# Altium PCB Control Panel PCB v3.PcbDoc (part 3 of 3)
Units mm, origin at the board's own origin, x right, y up, seen from the top; angles counter-clockwise.
Board outline 270.31 x 104.06 mm, 2 copper layers (Top Layer, Bottom Layer); 327 components, 215 nets, 925 pads, 350 vias.
Unrouted connection lines stored in the file: 137.
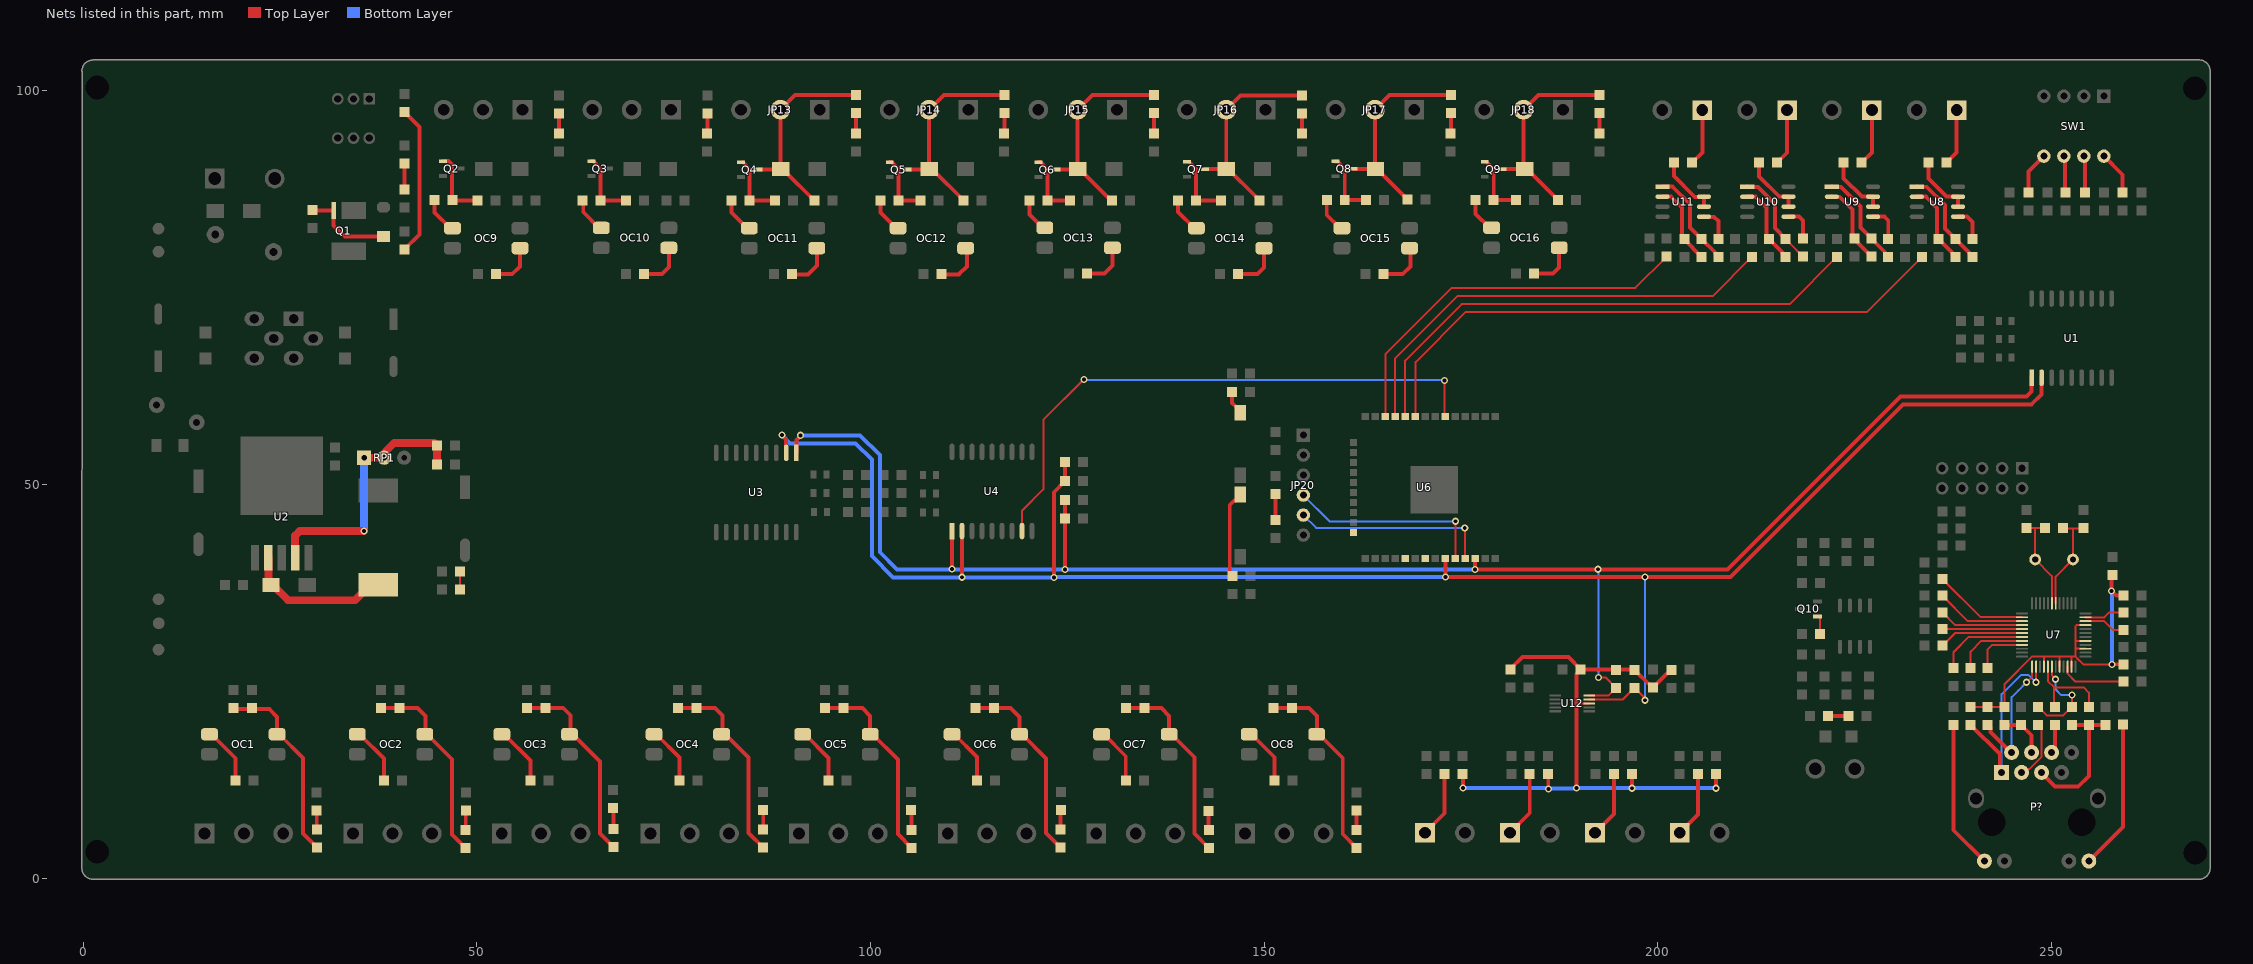
[diagram p3: the nets of this part, all layers, seen from the top]

## Via types
v1: diameter 0.9, hole 0.5, Top Layer to Bottom Layer, tented both sides, 350 vias

## Nets (pads, with @x,y where several pads share a name; then routed paths per layer and width w, separated by ;. In a path a pad name is that pad's centre, name@x,y a point inside that pad or via, vN(x,y) a via of type N, cw(c..) or ccw(c..) an arc to the next point about the centre after c; other vN are vias at no path point) (continued)
NetD3_1: D3.1 JP13.2 LEDR3.2 Q4.3 R70.2 | length 26.7
  Top Layer w0.5: Q4.3@85.781,90.017 88.528,90.017 D3.1@88.604,90.093 ; R70.2@92.885,86.105 92.5,86.49 92.432,86.49 89.454,89.468 89.229,89.468 D3.1@88.604,90.093 ; LEDR3.2@98.169,99.466 90.389,99.466 JP13.2@88.535,97.611 88.535,90.162 D3.1@88.604,90.093
NetD4_1: D4.1 JP14.2 LEDR4.2 Q5.3 R71.2 | length 26.5
  Top Layer w0.5: Q5.3@104.704,90.017 107.375,90.017 D4.1@107.451,90.093 ; R71.2@111.564,86.205 111.564,86.35 111.423,86.49 108.446,89.468 108.076,89.468 D4.1@107.451,90.093 ; LEDR4.2@117.015,99.491 109.294,99.491 JP14.2@107.414,97.611 107.414,90.13 D4.1@107.451,90.093
NetD5_1: D5.1 JP15.2 LEDR5.2 Q6.3 R83.2 | length 26.5
  Top Layer w0.5: Q6.3@123.594,90.017 126.247,90.017 D5.1@126.323,90.093 ; R83.2@130.452,86.189 130.452,86.258 130.245,86.465 130.176,86.465 126.548,90.093 D5.1@126.323,90.093 ; LEDR5.2@135.964,99.491 128.173,99.491 JP15.2@126.294,97.611 126.294,90.122 D5.1@126.323,90.093
NetD6_1: D6.1 JP16.2 LEDR6.2 Q7.3 R84.2 | length 26.5
  Top Layer w0.5: Q7.3@142.448,90.068 142.673,90.068 142.699,90.093 D6.1@145.17,90.093 ; R84.2@149.4,86.105 149.015,86.49 148.998,86.49 145.395,90.093 D6.1@145.17,90.093 ; LEDR6.2@154.811,99.44 147.002,99.44 JP16.2@145.173,97.611 145.173,90.096 D6.1@145.17,90.093
NetD7_1: D7.1 JP17.2 LEDR7.2 Q8.3 R93.2 | length 26.4
  Top Layer w0.5: Q8.3@161.32,90.093 D7.1@164.118,90.093 ; R93.2@168.126,86.31 168.093,86.31 167.837,86.566 167.837,86.599 164.343,90.093 D7.1@164.118,90.093 ; LEDR7.2@173.708,99.466 165.907,99.466 JP17.2@164.053,97.611 164.053,90.159 D7.1@164.118,90.093
NetD8_1: D8.1 JP18.2 LEDR8.2 Q9.3 R94.2 | length 26.7
  Top Layer w0.5: Q9.3@180.269,90.068 183.067,90.068 D8.1@183.092,90.093 ; R94.2@187.323,86.156 186.938,86.541 184.011,89.468 183.717,89.468 D8.1@183.092,90.093 ; LEDR8.2@192.555,99.491 184.812,99.491 JP18.2@182.932,97.611 182.932,90.253 D8.1@183.092,90.093
NetJP22_1: JP22.1 R128.2 | length 7.2
  Top Layer w0.5: R128.2@236.649,90.88 237.945,92.176 JP22.1@237.945,97.561
NetJP23_1: JP23.1 R133.2 | length 7.2
  Top Layer w0.5: R133.2@225.854,90.88 227.175,92.201 JP23.1@227.175,97.561
NetJP24_1: JP24.1 R138.2 | length 7.2
  Top Layer w0.5: R138.2@215.135,90.88 216.406,92.15 JP24.1@216.406,97.561
NetJP25_1: JP25.1 R143.2 | length 7.2
  Top Layer w0.5: R143.2@204.34,90.88 205.636,92.176 JP25.1@205.636,97.561
NetJP26_1: JP26.1 R153.2 | length 8.4
  Top Layer w0.5: JP26.1@202.766,5.765 205.077,8.076 R153.2@205.077,13.233
NetJP27_1: JP27.1 R154.2 | length 8.5
  Top Layer w0.5: JP27.1@192.005,5.765 194.409,8.169 R154.2@194.409,13.233
NetJP28_1: JP28.1 R159.2 | length 8.5
  Top Layer w0.5: JP28.1@181.201,5.765 183.716,8.279 R159.2@183.716,13.233
NetJP29_1: JP29.1 R160.2 | length 8.5
  Top Layer w0.5: JP29.1@170.406,5.765 172.895,8.254 R160.2@172.895,13.233
NetL1_1: L1.1 U2.2 VD1.2 | length 18.8
  Top Layer w0.5: VD1.2@23.503,37.59 VD1.2@23.841,37.252
  Top Layer w1: VD1.2@23.503,37.59 U2.2@23.503,40.712 ; VD1.2@23.841,37.252 24.066,37.252 26.013,35.305 34.497,35.305 36.444,37.252 L1.1@37.444,37.252
NetLED1_1: LED1.1 R10.1 | length 2.3
  Top Layer w0.254: LED1.1@47.858,36.648 R10.1@47.858,38.934
NetLED2_2: LED2.2 R13.1 | length 3.3
  Top Layer w0.5: R13.1@40.79,87.502 LED2.2@40.79,90.753
  Top Layer w1: R13.1@40.765,87.477 R13.1@40.79,87.502 ; LED2.2@40.79,90.753 LED2.2@40.815,90.779
NetLED3_2: LED3.2 R14.1 | length 19
  Top Layer w0.5: R14.1@40.765,79.857 42.695,81.787 42.695,95.427 LED3.2@40.815,97.307
NetLED4_1: LED4.1 R21.2 | length 2.4
  Top Layer w0.5: R21.2@29.639,8.61 29.652,8.597 29.652,6.21 LED4.1@29.665,6.197
NetLED4_2: LED4.2 OC1.4 R17.2 R19.2 | length 24.9
  Top Layer w0.5: R19.2@19.047,21.615 19.175,21.488 23.62,21.488 24.608,20.5 OC1.4@24.608,18.287 24.888,18.287 27.912,15.263 27.912,5.663 LED4.2@29.665,3.911
NetLED5_1: LED5.1 R22.2 | length 2.5
  Top Layer w0.5: LED5.1@48.537,6.121 48.575,6.159 48.575,8.546 R22.2@48.613,8.584
NetLED5_2: LED5.2 OC2.4 R18.2 R20.2 | length 25.1
  Top Layer w0.5: R20.2@37.818,21.615 R18.2@40.18,21.615 42.466,21.615 43.457,20.624 OC2.4@43.457,18.366 ; OC2.4@43.378,18.287 43.658,18.287 46.835,15.11 46.835,5.536 LED5.2@48.537,3.835
NetLED6_1: LED6.1 R29.2 | length 2.7
  Top Layer w0.5: R29.2@67.307,8.889 67.333,8.864 67.333,6.273 LED6.1@67.358,6.248
NetLED6_2: LED6.2 OC3.4 R25.2 R27.2 | length 25.2
  Top Layer w0.5: R27.2@56.335,21.615 R25.2@58.697,21.615 60.957,21.615 61.872,20.7 OC3.4@61.872,18.417 ; OC3.4@61.865,18.287 OC3.4@61.742,18.287 62.099,18.287 62.634,17.752 62.686,17.752 65.631,14.807 65.631,5.689 LED6.2@67.358,3.962
NetLED7_1: LED7.1 R30.2 | length 2.4
  Top Layer w0.5: LED7.1@86.358,6.197 R30.2@86.357,8.635
NetLED7_2: LED7.2 OC4.4 R26.2 R28.2 | length 25.3
  Top Layer w0.5: R28.2@75.512,21.615 R26.2@77.874,21.615 80.236,21.615 81.201,20.649 81.201,18.417 OC4.4@81.072,18.287 81.429,18.287 81.964,17.752 82.067,17.752 84.503,15.315 84.503,5.765 LED7.2@86.358,3.911
NetLED8_1: LED8.1 R37.2 | length 2.6
  Top Layer w0.5: R37.2@105.153,8.686 105.179,8.661 105.179,6.171 LED8.1@105.204,6.146
NetLED8_2: LED8.2 OC5.4 R33.2 R35.2 | length 25.3
  Top Layer w0.5: R35.2@94.181,21.615 R33.2@96.543,21.615 98.956,21.615 99.944,20.627 OC5.4@99.944,18.287 100.224,18.287 103.452,15.059 103.452,5.613 LED8.2@105.204,3.86
NetLED9_1: LED9.1 R38.2 | length 2.5
  Top Layer w0.5: LED9.1@124.102,6.197 124.127,6.222 124.127,8.635 R38.2@124.153,8.661
NetLED9_2: LED9.2 OC6.4 R34.2 R36.2 | length 25
  Top Layer w0.5: R36.2@113.307,21.615 R34.2@115.669,21.615 117.777,21.615 118.895,20.497 118.895,18.313 OC6.4@118.92,18.287 119.2,18.287 122.273,15.214 122.273,5.74 LED9.2@124.102,3.911
NetLED10_1: LED10.1 R45.2 | length 2.4
  Top Layer w0.5: R45.2@142.923,8.534 142.936,8.521 142.936,6.159 LED10.1@142.949,6.146
NetLED10_2: LED10.2 OC7.4 R41.2 R43.2 | length 24.9
  Top Layer w0.5: R43.2@132.433,21.615 R41.2@134.795,21.615 136.929,21.615 137.917,20.627 OC7.4@137.917,18.287 138.197,18.287 141.12,15.364 141.12,5.689 LED10.2@142.949,3.86
NetLED11_1: LED11.1 R46.2 | length 2.5
  Top Layer w0.5: LED11.1@161.719,6.146 161.732,6.159 161.732,8.597 R46.2@161.745,8.61
NetLED11_2: LED11.2 OC8.4 R42.2 R44.2 | length 24.9
  Top Layer w0.5: R44.2@151.153,21.615 R42.2@153.515,21.615 155.699,21.615 156.716,20.599 OC8.4@156.716,18.341 ; OC8.4@156.662,18.287 156.942,18.287 159.967,15.263 159.967,5.613 LED11.2@161.719,3.86
NetLED12_1: LED12.1 R103.2 | length 2.6
  Top Layer w0.5: LED12.1@221.605,20.61 R103.2@224.219,20.61
NetLED13_2: LED13.2 R110.1 | length 3.3
  Top Layer w0.5: R110.1@151.427,45.512 LED13.2@151.427,48.787
NetLEDR1_1: LEDR1.1 R50.1 | length 2.6
  Top Layer w0.5: R50.1@60.424,94.614 60.437,94.627 60.437,97.141 LEDR1.1@60.45,97.154
NetLEDR2_1: LEDR2.1 R51.1 | length 2.6
  Top Layer w0.5: R51.1@79.245,94.614 79.271,94.64 79.271,97.129 LEDR2.1@79.296,97.154
NetLEDR3_1: LEDR3.1 R60.1 | length 2.6
  Top Layer w0.5: R60.1@98.168,94.614 LEDR3.1@98.169,97.18
NetLEDR4_1: LEDR4.1 R63.1 | length 2.6
  Top Layer w0.5: R63.1@116.965,94.614 116.99,94.64 116.99,97.18 LEDR4.1@117.015,97.205
NetLEDR5_1: LEDR5.1 R72.1 | length 2.6
  Top Layer w0.5: LEDR5.1@135.964,97.205 135.976,97.192 135.976,94.627 R72.1@135.989,94.614
NetLEDR6_1: LEDR6.1 R75.1 | length 2.5
  Top Layer w0.5: R75.1@154.81,94.614 LEDR6.1@154.811,97.154
NetLEDR7_1: LEDR7.1 R85.1 | length 2.6
  Top Layer w0.5: R85.1@173.683,94.614 173.695,94.627 173.695,97.167 LEDR7.1@173.708,97.18
NetLEDR8_1: LEDR8.1 R88.1 | length 2.6
  Top Layer w0.5: LEDR8.1@192.555,97.205 192.568,97.192 192.568,94.627 R88.1@192.58,94.614
NetOC1_1: OC1.1 R15.1 | length 7.4
  Top Layer w0.5: OC1.1@16.028,18.287 16.308,18.287 19.352,15.242 R15.1@19.352,12.394
NetOC2_1: OC2.1 R16.1 | length 7.5
  Top Layer w0.5: OC2.1@34.798,18.287 35.078,18.287 38.174,15.192 R16.1@38.174,12.394
NetOC3_1: OC3.1 R23.1 | length 7.6
  Top Layer w0.5: OC3.1@53.162,18.287 53.442,18.287 56.792,14.938 R23.1@56.792,12.394
NetOC4_1: OC4.1 R24.1 | length 7.4
  Top Layer w0.5: OC4.1@72.492,18.287 72.772,18.287 75.74,15.319 R24.1@75.74,12.394
NetOC5_1: OC5.1 R31.1 | length 7.4
  Top Layer w0.5: OC5.1@91.364,18.287 91.644,18.287 94.638,15.293 R31.1@94.638,12.394
NetOC6_1: OC6.1 R32.1 | length 7.4
  Top Layer w0.5: OC6.1@110.34,18.287 110.62,18.287 113.535,15.372 R32.1@113.535,12.394
NetOC7_1: OC7.1 R39.1 | length 7.3
  Top Layer w0.5: OC7.1@129.337,18.287 129.617,18.287 132.408,15.496 R39.1@132.408,12.394
NetOC8_1: OC8.1 R40.1 | length 7.4
  Top Layer w0.5: OC8.1@148.082,18.287 148.362,18.287 151.28,15.369 R40.1@151.28,12.394
NetOC9_1: OC9.1 R52.1 | length 5.8
  Top Layer w0.5: R52.1@52.423,76.733 54.481,76.733 55.471,77.723 55.471,80.032 OC9.1@55.469,80.035
NetOC9_3: OC9.3 R56.2 | length 4.7
  Top Layer w0.5: R56.2@44.6,86.147 44.6,84.583 46.609,82.575 OC9.3@46.889,82.575
NetOC10_1: OC10.1 R54.1 | length 5.9
  Top Layer w0.5: R54.1@71.219,76.758 73.48,76.758 74.374,77.652 OC10.1@74.374,80.06
NetOC10_3: OC10.3 R57.2 | length 4.6
  Top Layer w0.5: R57.2@63.498,86.085 63.498,84.616 65.514,82.6 OC10.3@65.794,82.6
NetOC11_1: OC11.1 R61.1 | length 5.9
  Top Layer w0.5: R61.1@89.939,76.707 92.047,76.707 ; 92.098,76.733 93.167,77.802 OC11.1@93.167,80.035
NetOC11_3: OC11.3 R68.2 | length 4.7
  Top Layer w0.5: R68.2@82.344,86.145 82.344,84.538 84.307,82.575 OC11.3@84.587,82.575
NetOC12_1: OC12.1 R64.1 | length 6
  Top Layer w0.5: R64.1@108.964,76.707 111.199,76.707 ; 111.25,76.733 112.215,77.698 112.215,79.885 OC12.1@112.065,80.035
NetOC12_3: OC12.3 R69.2 | length 4.6
  Top Layer w0.5: R69.2@101.242,86.105 101.242,84.537 103.205,82.575 OC12.3@103.485,82.575
NetOC13_1: OC13.1 R73.1 | length 6
  Top Layer w0.5: R73.1@127.455,76.783 129.69,76.783 130.709,77.802 OC13.1@130.709,80.085
NetOC13_3: OC13.3 R81.2 | length 4.4
  Top Layer w0.5: R81.2@120.19,86.08 120.19,84.283 121.849,82.625 OC13.3@122.129,82.625
NetOC14_1: OC14.1 R79.1 | length 6.1
  Top Layer w0.5: R79.1@146.683,76.733 149.121,76.733 149.959,77.571 149.959,80.032 OC14.1@149.962,80.035
NetOC14_3: OC14.3 R82.2 | length 4.6
  Top Layer w0.5: R82.2@139.063,86.004 139.063,84.614 141.102,82.575 OC14.3@141.382,82.575
NetOC15_1: OC15.1 R86.1 | length 6.2
  Top Layer w0.5: R86.1@165.098,76.733 167.536,76.733 ; 167.587,76.758 168.552,77.723 168.552,79.933 OC15.1@168.45,80.035
NetOC15_3: OC15.3 R91.2 | length 4.5
  Top Layer w0.5: R91.2@157.935,86.156 157.935,84.23 159.59,82.575 OC15.3@159.87,82.575
NetOC16_1: OC16.1 R89.1 | length 6
  Top Layer w0.5: R89.1@184.275,76.783 186.662,76.783 187.452,77.573 OC16.1@187.452,80.085
NetOC16_3: OC16.3 R92.2 | length 4.5
  Top Layer w0.5: R92.2@176.832,86.156 176.832,84.385 178.592,82.625 OC16.3@178.872,82.625
NetP?_9: P?.9 R167.1 | length 18.9
  Top Layer w0.5: R167.1@237.566,19.482 237.566,6.096 P?.9@241.478,2.184
NetP?_12: P?.12 R168.1 | length 19.1
  Top Layer w0.5: P?.12@254.728,2.184 259.055,6.511 R168.1@259.055,19.498
NetQ1_4: Q1.4 R12.2 Z1.1 | length 12.4
  Top Layer w0.5: R12.2@29.416,84.637 29.639,84.86 R12.2@29.374,84.86 ; Z1.1@38.123,81.507 33.21,81.507 31.798,82.918 Q1.4@31.798,84.819 29.416,84.819 R12.2@29.374,84.86 ; R12.2@29.374,84.86 R12.2@29.106,84.86 R12.2@29.374,84.86
NetQ2_1: Q2.1 R53.2 R56.1 | length 9.1
  Top Layer w0.5: Q2.1@45.667,91.094 46.419,91.094 46.835,90.677 46.835,86.182 46.911,86.105 R53.2@50.036,86.105
NetQ3_1: Q3.1 R55.2 R57.1 | length 8.9
  Top Layer w0.5: Q3.1@64.539,91.094 64.764,91.094 65.682,90.176 65.682,86.439 65.699,86.423 66.05,86.423 66.05,86.071 66.067,86.054 R55.2@68.933,86.054
NetQ4_1: Q4.1 R62.2 R68.1 | length 8.4
  Top Layer w0.5: Q4.1@83.763,90.942 84.605,90.1 84.605,86.131 R68.1@84.63,86.105 R62.2@87.831,86.105
NetQ5_1: Q5.1 R65.2 R69.1 | length 8.1
  Top Layer w0.5: Q5.1@102.436,90.967 102.661,90.967 103.553,90.074 103.553,86.283 103.731,86.105 R65.2@106.322,86.105
NetQ6_1: Q6.1 R74.2 R81.1 | length 8.2
  Top Layer w0.5: Q6.1@121.326,90.967 121.551,90.967 122.476,90.041 122.476,86.486 R81.1@122.68,86.283 ; R81.1@122.476,86.08 122.489,86.093 125.309,86.093 R74.2@125.321,86.105
NetQ7_1: Q7.1 R80.2 R82.1 | length 8.3
  Top Layer w0.5: Q7.1@140.43,90.993 141.349,90.074 R82.1@141.349,86.08 ; R82.1@141.641,86.372 141.907,86.105 R80.2@144.498,86.105
NetQ8_1: Q8.1 R87.2 R91.1 | length 8.1
  Top Layer w0.5: Q8.1@159.052,91.043 159.277,91.043 160.221,90.099 R91.1@160.221,86.156 ; R91.1@160.297,86.156 R87.2@162.913,86.156
NetQ9_1: Q9.1 R90.2 R92.1 | length 7.9
  Top Layer w0.5: Q9.1@178.251,90.993 179.144,90.1 179.144,86.41 179.398,86.156 R90.2@181.963,86.156
NetQ10_1: Q10.1 R104.2 | length 2.5
  Top Layer w0.254: Q10.1@220.27,33.26 220.447,33.26 220.57,33.137 R104.2@220.57,31.01
NetR1_1: R1.1 SW1.8 | length 5.6
  Top Layer w0.5: SW1.8@256.639,91.719 259.001,89.356 R1.1@259.001,87.07
NetR9_1: R9.1 R11.2 RP1.1 RP1.ADJ U2.4 | length 34.1
  Top Layer w1: U2.4@26.903,40.712 26.903,43.508 27.489,44.094 v1(35.634,44.094) ; RP1.1@35.666,53.412 RP1.ADJ@38.206,53.412 38.359,53.565 38.359,54.157 39.497,55.296 44.574,55.296 44.933,54.936 44.933,52.527 R9.1@44.937,52.523
  Bottom Layer w1: v1(35.634,44.094) 35.634,53.38 RP1.1@35.666,53.412
NetR108_1: R108.1 SW3.1 | length 3.1
  Top Layer w0.5: R108.1@145.923,61.749 145.923,60.364 146.406,59.881 146.439,59.881 146.939,59.381 SW3.1@146.939,59.131
NetR109_1: R109.1 SW4.1 | length 11.2
  Top Layer w0.5: R109.1@145.966,38.405 145.616,38.756 145.616,47.428 146.189,48.001 146.439,48.001 146.939,48.501 SW4.1@146.939,48.751
NetR117_1: R117.1 U7.42 | length 10.8
  Top Layer w0.254: R117.1@236.144,29.54 237.752,31.148 U7.42@246.253,31.148
NetR118_1: R118.1 U7.41 | length 10.1
  Top Layer w0.254: R118.1@236.144,31.654 245.602,31.654 245.607,31.648 U7.41@246.253,31.648
NetR119_1: R119.1 U7.40 | length 10.8
  Top Layer w0.254: R119.1@236.144,33.767 237.762,32.148 U7.40@246.253,32.148
NetR120_1: R120.1 U7.39 | length 11.4
  Top Layer w0.254: R120.1@236.144,35.88 239.376,32.648 U7.39@246.253,32.648
NetR121_1: R121.1 U7.38 | length 12.1
  Top Layer w0.254: R121.1@236.144,37.993 240.989,33.148 U7.38@246.253,33.148
NetR127_1: R127.1 R131.1 U8.2 | length 10.4
  Top Layer w0.5: U8.2@232.881,86.562 234.033,86.562 235.456,85.14 235.456,81.381 237.407,79.429 237.407,79.276 R127.1@237.792,78.891
NetR127_2: R127.2 R129.1 U8.1 | length 12.6
  Top Layer w0.5: U8.1@232.881,87.832 232.885,87.829 234.113,87.829 236.446,85.496 236.446,82.524 239.566,79.403 239.566,79.276 R129.1@239.951,78.891
NetR128_1: R128.1 U8.6 U8.7 | length 8
  Top Layer w0.5: R128.1@234.363,90.88 234.363,88.874 236.665,86.572 238.122,86.572 U8.7@238.131,86.562 U8.6@238.131,85.292
NetR129_2: R129.2 U8.5 | length 4.3
  Top Layer w0.5: U8.5@238.131,84.022 239.266,84.022 239.951,83.336 R129.2@239.951,81.177
NetR132_1: R132.1 R136.1 U9.2 | length 9.7
  Top Layer w0.5: U9.2@222.086,86.562 222.096,86.553 223.095,86.553 224.711,84.937 224.711,81.457 R136.1@224.94,81.228 ; R136.1@225.325,80.843 225.325,80.742 R132.1@227.124,78.942
NetR132_2: R132.2 R134.1 U9.1 | length 12.5
  Top Layer w0.5: U9.1@222.086,87.832 222.111,87.807 223.238,87.807 225.727,85.318 225.727,82.625 228.848,79.505 228.848,79.302 R134.1@229.233,78.917
NetR133_1: R133.1 U9.6 U9.7 | length 8
  Top Layer w0.5: R133.1@223.568,90.88 223.568,88.899 225.896,86.572 227.327,86.572 U9.7@227.336,86.562 U9.6@227.336,85.292
NetR134_2: R134.2 U9.5 | length 4.5
  Top Layer w0.5: U9.5@227.336,84.022 228.75,84.022 229.258,83.514 229.258,81.228 R134.2@229.233,81.203
NetR137_1: R137.1 R141.1 U10.2 | length 10.3
  Top Layer w0.5: U10.2@211.342,86.562 212.418,86.562 213.772,85.208 213.772,81.525 215.83,79.467 215.83,79.302 R137.1@216.215,78.917
NetR137_2: R137.2 R139.1 U10.1 | length 12.6
  Top Layer w0.254: R137.2@216.215,81.203 216.723,80.695 216.723,80.657 R139.1@218.412,78.968
  Top Layer w0.5: U10.1@211.342,87.832 211.359,87.816 212.688,87.816 214.856,85.648 214.856,82.562 R137.2@216.215,81.203
NetR138_1: R138.1 U10.6 U10.7 | length 7.8
  Top Layer w0.5: R138.1@212.849,90.88 212.849,89.128 215.415,86.562 U10.7@216.592,86.562 U10.6@216.592,85.292
NetR139_2: R139.2 U10.5 | length 4.3
  Top Layer w0.5: U10.5@216.592,84.022 217.93,84.022 218.412,83.54 R139.2@218.412,81.254
NetR142_1: R142.1 R146.1 U11.2 | length 10.3
  Top Layer w0.5: U11.2@200.589,86.562 201.674,86.562 203.045,85.191 203.045,81.508 203.735,80.818 203.735,80.742 205.175,79.302 R142.1@205.56,78.917
NetR142_2: R142.2 R144.1 U11.1 | length 12.6
  Top Layer w0.5: U11.1@200.589,87.832 201.877,87.832 204.087,85.623 204.087,82.676 R142.2@205.56,81.203 207.283,79.48 207.283,79.302 R144.1@207.668,78.917
NetR143_1: R143.1 U11.6 U11.7 | length 7.8
  Top Layer w0.5: R143.1@202.054,90.88 202.054,89.179 204.68,86.553 205.83,86.553 U11.7@205.839,86.562 U11.6@205.839,85.292
NetR144_2: R144.2 U11.5 | length 4.3
  Top Layer w0.5: U11.5@205.839,84.022 205.849,84.013 207.144,84.013 207.668,83.489 R144.2@207.668,81.203
NetR163_1: R163.1 SW1.7 | length 4.5
  Top Layer w0.5: R163.1@254.226,87.071 SW1.7@254.226,91.592
NetR164_1: R164.1 SW1.6 | length 4.7
  Top Layer w0.5: R164.1@251.712,86.893 SW1.6@251.712,91.566
NetR166_2: R166.2 U7.10 | length 7.9
  Top Layer w0.254: U7.10@252.028,26.873 U7.10@252.028,26.873 252.03,25.973 253.035,24.968 R166.2@258.644,24.968
NetR169_1: R169.1 U7.23 | length 5.1
  Top Layer w0.254: U7.23@254.303,33.148 254.304,33.147 256.692,33.147 257.277,33.731 R169.1@259.152,33.731
NetR?_1: R?.1 SW1.5 | length 5.5
  Top Layer w0.5: R?.1@247.063,87.07 247.063,89.763 SW1.5@249.019,91.719
NetU6_24: U6.24
NetU6_29: U6.29
OutputINT: U4.8 U6.6 | length 73
  Top Layer w0.254: U4.8@119.225,44.098 119.225,46.684 121.943,49.402 121.943,58.216 v1(127.099,63.372) ; v1(172.895,63.194) 172.895,58.74 U6.6@172.984,58.651
  Bottom Layer w0.254: v1(127.099,63.372) 127.188,63.283 172.806,63.283 v1(172.895,63.194)
PMODE0: R112.1 U7.45 | length 7
  Top Layer w0.254: R112.1@241.884,26.721 241.884,29.058 242.475,29.648 U7.45@246.253,29.648
PMODE1: R114.1 U7.44 | length 9.2
  Top Layer w0.254: R114.1@239.712,26.721 239.712,28.791 241.07,30.148 U7.44@246.253,30.148
PMODE2: R116.1 U7.43 | length 11.5
  Top Layer w0.254: R116.1@237.541,26.721 237.541,28.727 239.462,30.648 U7.43@246.253,30.648
PWMin1: R130.1 U6.9 | length 76.8
  Top Layer w0.254: U6.9@169.212,58.551 169.212,65.557 175.588,71.932 226.566,71.932 R130.1@233.525,78.891
PWMin2: R135.1 U6.10 | length 67.4
  Top Layer w0.254: U6.10@167.904,58.651 167.892,58.664 167.892,65.734 175.08,72.923 216.736,72.923 R135.1@222.73,78.917
PWMin3: R140.1 U6.11 | length 58
  Top Layer w0.254: U6.11@166.634,58.651 166.622,58.664 166.622,66.039 174.521,73.939 206.944,73.939 R140.1@211.922,78.917
PWMin4: R145.1 U6.12 | length 48.8
  Top Layer w0.254: U6.12@165.364,58.651 165.377,58.664 165.377,66.547 173.81,74.98 197.133,74.98 R145.1@201.096,78.942
RCT: C23.1 P?.5 R171.1 R172.2 | length 18
  Top Layer w0.5: P?.5@248.742,13.36 250.444,11.659 253.39,11.659 254.725,12.994 R172.2@254.725,19.482 ; R171.1@252.58,19.482 254.112,19.482 R172.2@254.725,19.482 ; C23.1@256.87,19.482 R172.2@254.725,19.482
RGBdata: U6.31
RX: JP20.4 U6.34 | length 25.4
  Top Layer w0.254: U6.34@174.254,40.617 174.269,40.633 v1(174.269,45.339)
  Bottom Layer w0.254: JP20.4@154.957,48.667 158.286,45.339 v1(174.269,45.339)
RXN: C24.1 R172.1 U7.5 | length 12
  Top Layer w0.254: U7.5@249.528,26.873 249.528,25.022 250.317,24.233 ; C24.1@250.436,21.768 250.317,21.886 250.317,24.233 ; R172.1@254.725,21.768 254.725,23.582 254.075,24.233 250.317,24.233
RXNNET: C24.2 P?.6 | length 3.8
  Top Layer w0.5: P?.6@250.012,15.898 250.012,16.359 250.436,16.782 C24.2@250.436,19.482
RXP: C13.1 R171.2 U7.6 | length 12.2
  Top Layer w0.254: C13.1@248.291,21.768 249.383,20.676 251.488,20.676 R171.2@252.58,21.768 252.578,21.771 v1(252.578,23.292) ; U7.6@250.028,26.873 250.028,25.771 250.495,25.304 v1(250.495,25.273)
  Bottom Layer w0.254: v1(250.495,25.273) 250.495,23.978 251.181,23.292 v1(252.578,23.292)
RXPNET: C13.2 P?.3 | length 7.6
  Top Layer w0.254: P?.3@246.202,13.358 246.569,13.358 247.053,13.843 247.167,13.843 248.742,15.418 248.742,19.03 C13.2@248.291,19.482
SCL: C5.2 R67.2 R148.1 U1.1 U3.1 U4.1 U6.36 U12.10 | length 219.4
  Top Layer w0.254: U12.10@191.276,23.199 193.682,23.199 R148.1@194.663,24.18 193.342,25.501 v1(192.428,25.501)
  Top Layer w0.5: U3.1@90.549,54.021 90.599,54.071 90.599,55.643 91.107,56.152 v1(91.107,56.26) ; U4.1@110.335,44.098 110.361,44.072 v1(110.361,39.268) ; v1(124.712,39.191) C5.2@124.712,45.668 R67.2@124.712,48.064 ; U6.36@176.794,40.617 176.775,40.598 176.775,39.21 v1(176.756,39.191) 208.811,39.191 219.542,49.923 230.808,61.189 246.837,61.189 247.47,61.821 U1.1@247.47,63.58
  Bottom Layer w0.254: v1(192.428,25.501) v1@192.428,38.862
  Bottom Layer w0.5: v1(91.107,56.26) 98.651,56.26 101.166,53.746 101.166,41.401 103.35,39.217 110.31,39.217 v1(110.361,39.268) 110.399,39.229 124.673,39.229 v1(124.712,39.191) v1(176.756,39.191)
  other v1: 192.403,39.242
SDA: C4.2 R66.2 R149.1 U1.2 U3.2 U4.2 U6.33 U12.9 | length 236.5
  Top Layer w0.254: U12.9@191.276,22.699 195.544,22.699 R149.1@197.025,24.18 198.248,22.957 198.248,22.729 v1(198.372,22.605)
  Top Layer w0.5: v1(88.745,56.286) 89.279,55.752 U3.2@89.279,54.021 ; v1(111.58,38.226) 111.592,38.239 111.592,44.085 U4.2@111.605,44.098 ; v1(123.289,38.201) 123.264,38.226 123.264,49.013 R66.2@124.712,50.461 C4.2@124.712,52.857 ; U6.33@172.984,40.617 173.003,40.598 v1@173.003,38.271 ; v1(173.022,38.252) v1(198.372,38.252) 209.243,38.252 231.138,60.147 247.421,60.147 248.74,61.466 U1.2@248.74,63.58
  Bottom Layer w0.254: v1(198.372,22.605) v1(198.372,38.252)
  Bottom Layer w0.5: v1(88.745,56.286) 89.787,55.244 98.075,55.244 100.15,53.17 100.15,40.927 102.863,38.213 123.251,38.213 123.289,38.252 v1(173.022,38.252)
TCT: C10.1 P?.4 R126.2 | length 6.2
  Top Layer w0.5: R126.2@244.001,19.482 C10.1@246.146,19.482 247.468,18.16 P?.4@247.468,15.974
TX: JP20.5 U6.35 | length 25.1
  Top Layer w0.254: v1(175.463,44.501) 175.463,40.678 U6.35@175.524,40.617
  Bottom Layer w0.254: JP20.5@154.957,46.127 156.584,44.501 v1(175.463,44.501)
TXN: P?.2 R125.2 U7.1 | length 16.9
  Top Layer w0.254: v1(246.812,24.892) 247.528,25.608 U7.1@247.528,26.873
  Top Layer w0.5: R125.2@241.856,19.482 242.241,19.097 242.241,18.589 P?.2@244.932,15.898
  Bottom Layer w0.254: P?.2@244.932,15.898 244.932,23.012 245.759,23.84 v1(246.812,24.892)
TXP: P?.1 R124.1 U7.2 | length 25.4
  Top Layer w0.254: v1(248.006,24.892) 248.026,24.913 248.026,26.871 U7.2@248.028,26.873
  Top Layer w0.5: R124.1@239.711,19.482 243.434,15.759 243.434,13.659 P?.1@243.658,13.434
  Bottom Layer w0.254: P?.1@243.662,13.358 243.662,23.368 246.101,25.806 247.091,25.806 v1(248.006,24.892)
VCC-1V2: C15.1 U7.22 | length 5.3
  Top Layer w0.254: U7.22@254.303,32.648 256.683,32.648 257.785,31.547 C15.1@259.152,31.547
VCC-3V3A: C9.2 C11.2 L2.2 R124.2 R125.1 R126.1 U7.4 U7.8 U7.11 U7.15 U7.17 U7.21 | length 49
  Top Layer w0.254: R124.2@239.711,21.768 R125.1@241.856,21.768 R126.1@244.001,21.768 244.001,24.604 247.566,28.169 249.028,28.169 251.079,28.169 ; U7.4@249.028,26.873 249.028,28.092 249.104,28.169 ; U7.8@251.028,26.873 251.028,28.118 251.079,28.169 ; U7.11@252.528,26.873 252.526,26.875 252.526,28.123 252.481,28.169 ; U7.15@254.303,29.148 253.031,29.148 ; U7.17@254.303,30.148 253.031,30.148 ; U7.21@254.303,32.148 254.301,32.146 253.18,32.146 253.031,31.997 253.031,30.148 ; v1@257.683,27.178 257.658,27.153 254.041,27.153 253.223,27.97 253.223,27.976 253.031,28.169 ; 251.079,28.169 252.481,28.169 ; 252.481,28.169 253.031,28.169 ; 253.031,28.169 253.031,29.148 ; 253.031,29.148 253.031,30.148
  Top Layer w0.5: v1@257.683,27.178 C11.2@259.152,27.178 ; L2.2@257.759,38.506 257.632,38.38 v1(257.632,36.5) 258.216,35.916 C9.2@259.152,35.916
  Bottom Layer w0.5: v1(257.632,36.5) 257.658,36.474 257.658,27.178 v1(257.683,27.153)
VDD: C20.2 C21.2 FB3.2 R148.2 R149.2 R150.2 R151.2 R152.2 R157.2 R158.2 U12.8 | length 79.4
  Top Layer w0.254: 189.659,22.199 U12.8@191.276,22.199 U12.8@191.263,22.212
  Top Layer w0.5: R158.2@175.207,13.233 175.219,13.22 175.219,11.467 v1(175.232,11.455) ; R150.2@181.227,26.542 182.776,28.092 188.618,28.092 C20.2@190.193,26.517 194.638,26.517 R149.2@197,26.517 ; R157.2@186.052,13.233 186.065,13.22 186.065,11.366 v1(186.078,11.353) ; C20.2@189.634,25.958 C20.2@190.244,26.568 ; v1(189.659,11.455) 189.659,22.199 C20.2@189.659,25.907 ; v1(196.721,11.429) R152.2@196.72,13.233 ; R149.2@197.025,26.466 198.901,24.59 198.977,24.59 FB3.2@199.362,24.205 C21.2@201.238,26.081 ; v1(207.389,11.429) R151.2@207.388,13.233
  Bottom Layer w0.5: v1(175.232,11.455) 175.245,11.442 186.078,11.442 186.116,11.404 189.609,11.404 v1(189.659,11.455) 189.672,11.442 207.376,11.442 v1(207.389,11.429)
XI: C22.1 R170.1 U7.30 X1.1 | length 12.9
  Top Layer w0.254: U7.30@250.528,34.923 250.528,38.299 X1.1@252.717,40.488 252.717,44.428 252.695,44.45 ; R170.1@251.384,44.508 R170.1@251.442,44.45 ; R170.1@251.518,44.45 252.695,44.45 ; C22.1@253.873,44.45 252.695,44.45
XO: C12.1 R170.2 U7.31 X1.2 | length 12.8
  Top Layer w0.254: C12.1@246.812,44.501 247.993,44.501 ; R170.2@249.174,44.501 247.993,44.501 ; U7.31@250.028,34.923 250.028,38.376 X1.2@247.917,40.488 247.917,44.425 247.993,44.501
pads on no net: P?.0 P?.7 P?.8 SW?.3 SW?.4 U1.7 U1.10 U1.15 U1.16 U1.17 U3.7 U4.7 U6.4 U6.5 U6.17 U6.18 U6.19 U6.20 U6.21 U6.22 U6.32 U7.7 U7.12 U7.13 U7.18 U7.24 U7.26 U7.46 U7.47

## Polygon pours and split planes (outlines as drawn)
GND on Top Layer "GND_TOP" (solid, remove dead copper, pour order 5): 7.922,71.983 39.571,71.983 39.571,84.759 196.314,84.759 196.314,75.666 242.466,75.666 242.466,103.809 -0.028,103.809 0,0 212.672,-0.052 212.672,10.896 7.922,10.896
GND_F on Top Layer "GND_F_TOP" (solid, remove dead copper, pour order 6): 8.71,71.322 8.71,11.48 213.586,11.48 213.586,-0.001 273.673,-0.001 273.673,103.809 243.228,103.809 243.228,75.183 195.552,75.183 195.552,83.895 40.434,83.895 40.434,71.322
GND on Bottom Layer "GND_BOTTOM" (solid, remove dead copper, pour order 1): 7.922,71.83 39.571,71.83 39.571,84.835 196.314,84.835 196.314,75.513 242.466,75.513 242.466,103.809 -0.066,103.809 -0.038,0.064 212.672,0.012 212.672,11.023 18.681,11.023 7.922,21.317
GND_F on Bottom Layer "GND_F_BOTTOM" (solid, remove dead copper, pour order 4): 8.71,71.424 8.71,21.894 11.91,18.77 19.225,11.455 213.586,11.455 213.586,-0.001 273.673,-0.001 273.673,103.809 243.228,103.809 243.228,74.98 195.552,74.98 195.552,83.946 40.434,83.946 40.434,71.424

## Keep-outs
Keep-Out Layer:
  lines w0.254: -0.051,1.27 ccw(c1.206,1.257) 1.194,0 ; -0.051,102.54 cw(c1.206,102.527) 1.219,103.784 ; -0.038,1.245 -0.038,102.54 ; 1.143,0 268.732,0 ccw(c268.745,1.257) 270.002,1.245 ; 1.219,103.81 268.808,103.81 ; 268.757,103.81 cw(c268.745,102.552) 270.002,102.54 ; 270.004,1.13 270.004,102.453

## Other copper
Top Layer:
  rectangle net 3.3V: 39.495,49.834 40.409,50.748
  pour cut-out: 205.788,10.159 205.788,2.666 205.763,2.641 199.464,2.641 199.464,10.134 199.438,10.159
  pour cut-out: 194.841,10.134 194.841,2.641 194.816,2.615 188.516,2.615 188.516,10.108 188.491,10.134
  pour cut-out: 184.097,10.159 184.097,2.666 184.071,2.641 177.772,2.641 177.772,10.134 177.747,10.159
  pour cut-out: 173.632,10.134 173.632,2.641 173.607,2.615 167.307,2.615 167.307,10.108 167.282,10.134
  pour cut-out: 199.629,83.489 199.603,83.464 199.603,82.244 201.559,82.244 201.559,82.727 200.797,83.489
  pour cut-out: 210.5,83.514 210.475,83.489 210.475,82.27 212.43,82.27 212.43,82.752 211.668,83.514
  pour cut-out: 221.295,83.514 221.27,83.489 221.27,82.27 223.225,82.27 223.225,82.752 222.463,83.514
  pour cut-out: 202.448,85.165 201.559,85.165 201.559,84.2 201.864,83.895 202.448,83.895
  pour cut-out: 213.243,85.089 212.354,85.089 212.354,84.124 212.659,83.819 213.243,83.819
  pour cut-out: 224.114,84.962 223.225,84.962 223.225,83.997 223.53,83.692 224.114,83.692
  pour cut-out: 204.798,83.231 204.798,82.342 206.855,82.342 206.855,83.231
  pour cut-out: 215.593,83.206 215.593,82.317 217.65,82.317 217.65,83.206
  pour cut-out: 226.464,83.231 226.464,82.342 228.521,82.342 228.521,83.231
  pour cut-out: 237.183,83.256 237.183,82.367 239.24,82.367 239.24,83.256
  pour cut-out: 234.846,84.988 233.957,84.988 233.957,84.022 234.262,83.718 234.846,83.718
  pour cut-out: 232.103,83.54 232.077,83.514 232.077,82.295 234.033,82.295 234.033,82.778 233.271,83.54
  pour cut-out: 180.484,65.049 190.066,65.049 190.066,32.486 180.398,32.486
  pour cut-out: 167.282,28.777 167.282,10.134 210.487,10.134 210.462,10.159 210.462,28.777
Bottom Layer:
  pour cut-out: 180.473,66.548 190.061,66.548 190.061,32.638 180.384,32.638
  pour cut-out: 167.282,28.777 167.282,10.134 210.487,10.134 210.462,10.159 210.462,28.777

## Silkscreen, mask and mechanical layers (free items; w line width, h text height)
Top Overlay:
  lines w0.254: 217.358,22.441 217.777,22.021 231.671,22.021 232.255,22.605
  text "Dout1" at 52.43,102.783 h1.6 r180
  text "VCC" at 56.875,102.782 h1.6 r180
  text "Dout2" at 71.403,102.783 h1.6 r180
  text "VCC" at 75.796,102.782 h1.6 r180
  text "VCC" at 94.694,102.782 h1.6 r180
  text "Dout4" at 109.122,102.783 h1.6 r180
  text "VCC" at 113.464,102.782 h1.6 r180
  text "VCC" at 132.387,102.782 h1.6 r180
  text "VCC" at 151.234,102.782 h1.6 r180
  text "Dout7" at 165.714,102.783 h1.6 r180
  text "VCC" at 170.157,102.782 h1.6 r180
  text "VCC" at 189.055,102.782 h1.6 r180
  text "Aout1" at 207.37,102.783 h1.6 r180
  text "Aout2" at 218.114,102.783 h1.6 r180
  text "Aout4" at 239.755,102.783 h1.6 r180
  text "INPUT : 5~24V DC" at 26.496,102.78 h1.6 r180
  text "ON/OFF KEY" at 38.231,102.78 h1.6 r180
  text "GND" at 46.969,102.78 h1.6 r180
  text "GND" at 65.79,102.78 h1.6 r180
  text "GND" at 84.662,102.78 h1.6 r180
  text "Dout3" at 90.225,102.78 h1.6 r180
  text "GND" at 103.56,102.78 h1.6 r180
  text "GND" at 122.457,102.78 h1.6 r180
  text "Dout5" at 128.045,102.78 h1.6 r180
  text "GND" at 141.38,102.78 h1.6 r180
  text "Dout6" at 146.867,102.78 h1.6 r180
  text "GND" at 160.253,102.78 h1.6 r180
  text "GND" at 179.023,102.78 h1.6 r180
  text "Dout8" at 184.56,102.78 h1.6 r180
  text "GND" at 201.909,102.78 h1.6 r180
  text "GND" at 212.526,102.78 h1.6 r180
  text "GND" at 223.143,102.78 h1.6 r180
  text "Aout3" at 228.858,102.78 h1.6 r180
  text "GND" at 234.014,102.78 h1.6 r180
  text "4" at 247.959,102.774 h1.6 r180
  text "Panel ADD" at 256.493,102.758 h1.6 r180
  text "1" at 258.906,102.774 h1.6 r180
  text "3.3V" at 42.501,102.73 h1.6 r180
  text "High" at 262.72,99.433 h1.5 r180
  text "24V" at 42.012,95.531 h1.5 r180
  text "LOW" at 262.894,92.139 h1.5 r180
  text "24V" at 6.684,81.832 h1.5 r90
  text "GND" at 6.691,78.453 h1.5 r90
  text "Control Panel Unit" at 81.476,65.536 h5
  text "Revision 1.2" at 81.859,63.162 h2
  text "RESET" at 142.86,57.587 h1.6 r270
  text "3.3V EN IO0 RX TX GND" at 157.311,57.232 h1.5 r270
  text "USER" at 142.86,46.615 h1.6 r270
  text "24V" at 6.989,34.613 h1.5 r90
  text "GND" at 6.996,31.235 h1.5 r90
  text "3.3V" at 6.996,27.984 h1.5 r90
  text "A" at 219.625,0.915 h1.6
  text "B" at 224.807,0.915 h1.6
  text "Ain3" at 190.655,0.853 h1.6
  text "Ain1" at 168.85,0.835 h1.6
  text "Ain4" at 201.349,0.833 h1.6
  text "VCC" at 14.086,0.821 h1.6
  text "Din1" at 19.067,0.803 h1.6
  text "GND" at 24.07,0.822 h1.6
  text "VCC" at 32.8,0.821 h1.6
  text "Din2" at 37.837,0.803 h1.6
  text "GND" at 42.841,0.822 h1.6
  text "VCC" at 51.825,0.821 h1.6
  text "Din3" at 56.862,0.822 h1.6
  text "GND" at 61.866,0.822 h1.6
  text "VCC" at 70.798,0.821 h1.6
  text "Din4" at 75.658,0.803 h1.6
  text "GND" at 80.662,0.822 h1.6
  text "VCC" at 89.467,0.821 h1.6
  text "Din5" at 94.682,0.822 h1.6
  text "GND" at 99.559,0.822 h1.6
  text "VCC" at 108.492,0.821 h1.6
  text "Din6" at 113.478,0.822 h1.6
  text "GND" at 118.482,0.822 h1.6
  text "VCC" at 127.339,0.821 h1.6
  text "Din7" at 132.351,0.803 h1.6
  text "GND" at 137.354,0.822 h1.6
  text "VCC" at 146.211,0.821 h1.6
  text "Din8" at 151.375,0.822 h1.6
  text "GND" at 156.303,0.822 h1.6
  text "GND" at 174.083,0.822 h1.6
  text "Ain2" at 179.555,0.815 h1.6
  text "GND" at 184.788,0.822 h1.6
  text "GND" at 195.888,0.822 h1.6
  text "GND" at 206.581,0.822 h1.6
Bottom Overlay:
  drawing of 200 lines, arcs and shapes, not listed
Mechanical 13:
  lines w0.254: 128.598,93.268 128.623,93.268 ; 200.988,100.609 241.044,100.609 ; 232.461,4.521 232.461,-0.051 ; 244.018,-0.051 240.97,-0.051 232.461,-0.051 ; 270.002,-3.505 270.002,89.814 ; 232.461,-0.051 232.461,55.067 263.703,55.067 263.703,-0.051 232.461,-0.051

## Text inside footprints (layer, text, board x,y; h text height)
U6: Mechanical 4 "ANTENNA" at 182.477,55.359 h1.5 r270; Mechanical 4 "ANTENNA" at 182.477,55.359 h1.5 r270